# Altium PCB SLMVRtt_REV1.3_MH.PcbDoc (continued)
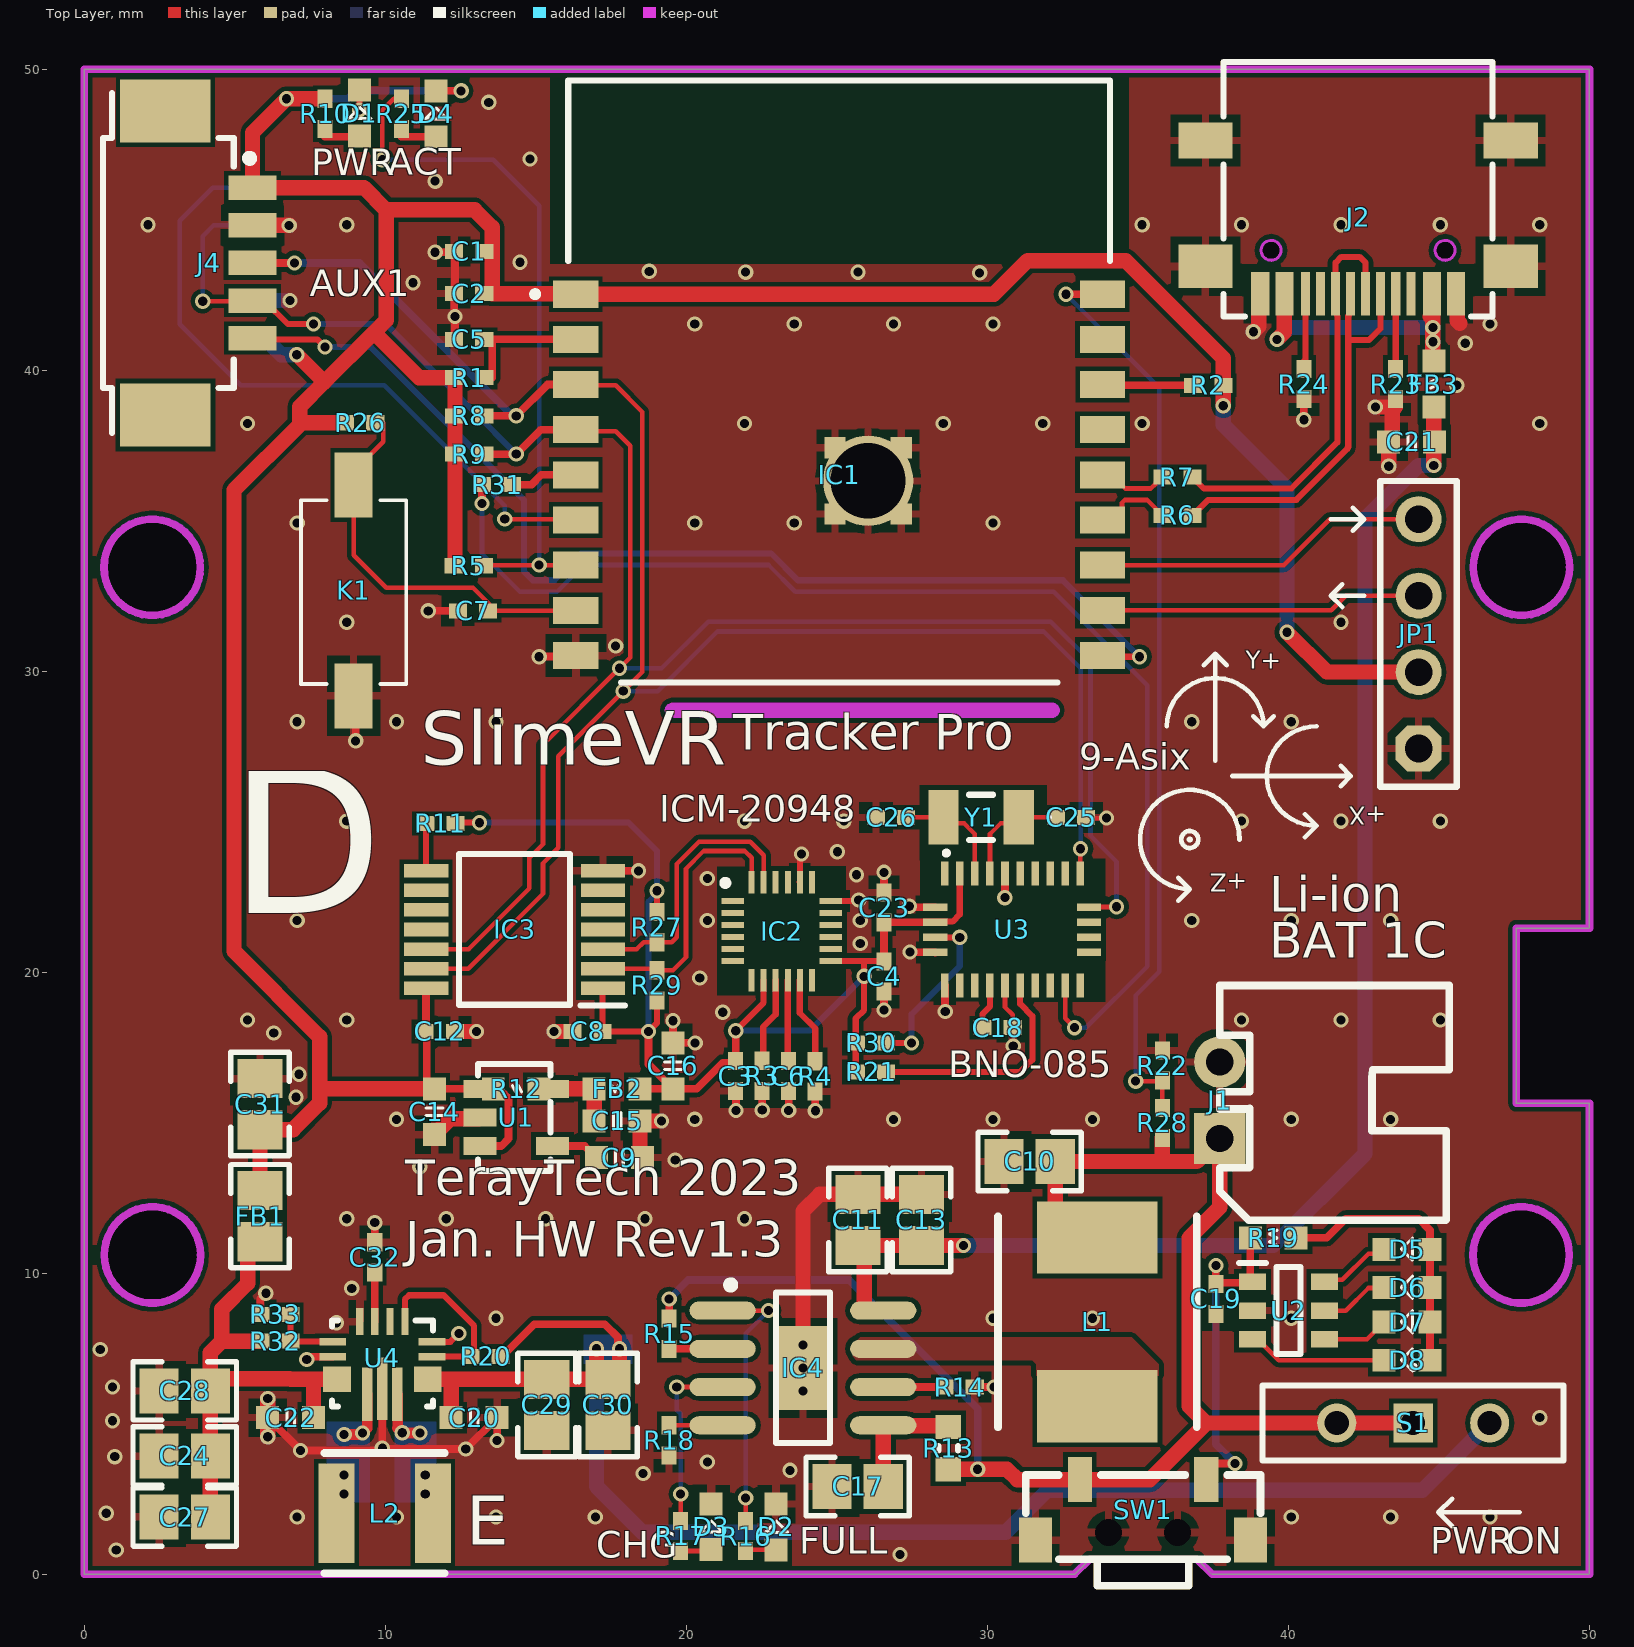
[diagram p0: Top Layer view]
## Footprints (in the part's own frame and the unit in brackets; to place one, negate y for a bottom-side part, rotate by r counter-clockwise, add the part's x,y. Pads: shape width x height; smd on the part's side, far side on the other; paste and mask are expansions set on the pad) (continued)
  round 1.7 hole 0.9: 2(1.27,0)
  silkscreen extent -3.99,-7.62 3.81,0, body extent -3.77,-7.35 3.77,0.35, height 5.73

## Part data
C1 C2 C3 C4 C5 C6 C7 C8 C9 C10 C11 C12 C13 C14 C15 C16 C17 C18 C19 C20 C21 C22 C23 C24 C25 C26 C27 C28 C29 C30 C31 C32: library part CAP, "Capacitor", LatestRevisionDate=17-Jul-2002, LatestRevisionNote="Re-released for DXP Platform.", PackageReference=RAD-0.3, Published=8-Jun-2000, Publisher="Altium Limited"
D1 D2 D3 D4 D5 D6 D7 D8: library part LED, "LED 发光二极管"
FB1 FB2 FB3: library part FB, "磁珠 600Ω @ 100MHz"
IC1: "Integrated Circuit", Manufacturer_Name="Espressif Systems", Mouser Part Number=356-ESP32C3WROOM02N4, Datasheet Link=https://www.mouser.ch/datasheet/2/891/Espressif_ESP32_C3_WROOM_02-2006871.pdf, Height=3.35mm, Manufacturer_Part_Number=ESP32-C3-WROOM-02-N4, Mouser Price/Stock=https://www.mouser.co.uk/ProductDetail/Espressif-Systems/ESP32-C3-WROOM-02-N4?qs=stqOd1AaK7%2FqjTZKEOgfUg%3D%3D
IC2: "Integrated Circuit", Manufacturer_Name=TDK, Mouser Part Number=410-ICM-20948, Arrow Part Number=ICM-20948, Arrow Price/Stock=https://www.arrow.com/en/products/icm-20948/invensense?region=nac, Datasheet Link=https://product.tdk.com/system/files/dam/doc/product/sensor/mortion-inertial/imu/data_sheet/ds-000189-icm-20948-v1.3.pdf, Height=1.05mm, Manufacturer_Part_Number=ICM-20948, Mouser Price/Stock=https://www.mouser.co.uk/ProductDetail/TDK-InvenSense/ICM-20948?qs=u4fy%2FsgLU9OtGc31yF%2Friw%3D%3D
IC3: "Integrated Circuit", Manufacturer_Name="Texas Instruments", Mouser Part Number=595-LSF0204PWR, Arrow Part Number=LSF0204PWR, Arrow Price/Stock=https://www.arrow.com/en/products/lsf0204pwr/texas-instruments?region=nac, Datasheet Link=http://www.ti.com/lit/gpn/lsf0204, Height=1.2mm, Manufacturer_Part_Number=LSF0204PWR, Mouser Price/Stock=https://www.mouser.co.uk/ProductDetail/Texas-Instruments/LSF0204PWR?qs=m%2F7bTylgptck0MkFZrWcVg%3D%3D
IC4: "Integrated Circuit", Manufacturer_Name=INJOINIC, Datasheet Link=http://www.szjuquan.com/upload_files/qb_sell_/pdf/IP2312.pdf, Height=1.65mm, Manufacturer_Part_Number=IP2312
J1: library part "HEADER 2PIN"
J2: "USB 3.1 Type C Receptacle WR-COM, Horizontal, SMT / THT", Contact Resistance="30 mOhm", Operating Temperature="-40 to 105 degC", Part Number=632723300011, Rated Current="5 A", Working Voltage="20 VDC", ComponentLink1Description=Manufacturer, ComponentLink1URL=http://www.we-online.de, ComponentLink2Description=Datasheet, ComponentLink2URL=https://katalog.we-online.de/em/datasheet/632723x00011%282%29.pdf, Connector Type="USB 3.1 Type C", Gender=Receptacle, Mounting Technology="SMT / THT", Orientation=Horizontal, Packaging="Tape and Reel", Published Date="September 2018", Publisher="Wurth Elektronik"
JP1: library part "HEADER 4"
K1: library part KEY_2, "Switch", LatestRevisionDate=17-Jul-2002, LatestRevisionNote="Re-released for DXP Platform.", PackageReference=SPST-2, Published=24-Mar-1999, Publisher="Altium Limited"
L1 L2: "电感", Code_IEC=1005, Code_JEITA=0402, LatestRevisionDate=17-Jul-2002, LatestRevisionNote="Re-released for DXP Platform.", PackageReference=0402-A, Published=8-Jun-2000, Publisher="Altium Limited"
R1 R2 R3 R4 R5 R6 R7 R8 R9 R10 R11 R12 R13 R14 R15 R16 R17 R18 R19 R20 R21 R22 R23 R24 R25 R26 R27 R28 R29 R30 R31 R32 R33: library part RES, "Resistor", Published=8-Jun-2000, Publisher="Altium Limited", Revision="July-2002: Re-released for DXP Platform."
S1: "Switch", Manufacturer_Name=Sungmun, Datasheet Link=https://datasheet.datasheetarchive.com/originals/distributors/Datasheets-2/DSA-20618.pdf, Height=6.4mm, Manufacturer_Part_Number=BSI-10
U1: library part ADP150
U2: "单节锂电池电量指示芯片"
U3: library part BNO085, "Accelerometer", Manufacturer_Name="Hillcrest Laboratories", Datasheet Link=https://www.hillcrestlabs.com/downloads/bno080-datasheet, Height=1.18mm, Manufacturer_Part_Number=BNO085
U4: "Imported", Manufacturer="Texas Instruments", PartNumber=TPS63070RNMR, RefDes=RefDes, Type=TYPE
Y1: "Crystal or Oscillator", Arrow Part Number="FC-135 32.7680KA-AG0", Manufacturer_Name="Epson Timing", Mouser Part Number=732-FC135-32.76KAAG0, Arrow Price/Stock=https://www.arrow.com/en/products/fc-13532.7680ka-ag0/epson-electronics-america?region=nac, Datasheet Link=https://support.epson.biz/td/api/doc_check.php?dl=brief_FC-135&lang=en/.pdf, Height=0.9mm, Manufacturer_Part_Number="FC-135 32.7680KA-AG0", Mouser Price/Stock=https://www.mouser.co.uk/ProductDetail/Epson-Timing/FC-135-32.7680KA-AG0?qs=l3LL3yk8ONZCQSM4diwOUg%3D%3D

## Free pads (board coordinates)
  round 3 hole 2.5: 2(26.04,36.322)

## Via types
v1: diameter 0.508, hole 0.305, Top Layer to Bottom Layer, tented both sides, 204 vias

## Nets (pads, with @x,y where several pads share a name; then routed paths per layer and width w, separated by ;. In a path a pad name is that pad's centre, name@x,y a point inside that pad or via, vN(x,y) a via of type N, cw(c..) or ccw(c..) an arc to the next point about the centre after c; other vN are vias at no path point)
bat: C10.2 J1.1 L1.2 R13.2 R15.2 R28.2 S1.1 S1.2 SW1.2 | length 53.9
  Top Layer w0.254: R15.2 v1(19.431,9.144)
  Top Layer w0.508: R13.2 v1(29.678,3.491) 30.654,3.491 30.999,3.147 SW1.2 35.405,3.147 37.287,5.029 S1.2 S1.1 ; L1.2 33.204,11.188 32.258,12.134 C10.2 35.814,13.716 ; R28.2 35.814,13.716 ; 37.275,5.016 36.703,5.588 36.703,11.176 37.719,12.192 J1.1 36.957,13.716 35.814,13.716
  Bottom Layer w0.254: v1(19.431,9.144) 20.066,9.779 25.4,9.779 29.678,5.501 v1(29.678,3.491)
  Bottom Layer w0.508: S1.2 S1.1
BOOT: C7.1 IC1.8 K1.1 R26.1 | length 13
  Top Layer w0.152: R26.1@9.931,38.252 9.931,37.618 8.95,36.637 K1.1 8.95,33.849 10.033,32.766 12.916,32.766 13.678,32.004 16.312,32.004 IC1.8
GND: C1.1 C2.1 C3.2 C4.2 C5.1 C6.1 C7.2 C8.2 C9.1 C10.1 C11.1 C12.2 C13.1 C14.1 C15.1 C16.1 C17.1 C18.1 C19.1 C20.2 C21.1 C22.2 C23.1 C24.2 C25.1 C26.1 C27.2 C28.2 C29.1 C30.1 C31.1 C32.1 D1.1 D2.1 D3.1 IC1.9 IC1.19 IC1.20 IC1.21 IC1.22 IC1.23 IC1.24 IC1.25 IC1.26 IC1.27 IC2.18 IC2.20 IC3.7 IC4.9 J1.2 J2.A1 J2.A12 J2.Shell J3.2 J4.2 JP1.1 K1.2 pad.2 R3.2 R4.2 R14.2 R18.1 R22.1 R23.2 R24.2 R33.1 SW1.0 U1.2 U2.2 U3.2 U3.5 U3.6 U3.10 U3.25 U4.4 U4.6 U4.10 U4.15 | length 61.2
  Top Layer w0.152: U3.10 30.587,18.841 30.845,18.583 C18.1 30.861,18.145 v1(30.861,17.551) ; C25.1 33.309,25.121 v1(33.96,25.121)
  Top Layer w0.203: v1(9.144,48.641) D1.1 ; U4.15 11.562,7.722 12.167,7.722 v1(12.446,8.001) ; IC2.20 23.773,22.996 23.773,23.874 v1(23.825,23.927) ; IC2.18 24.8,22.369 25.697,22.369 v1(25.73,22.403)
  Top Layer w0.254: R33.1 5.85,9.152 v1(6.037,9.339) ; C22.2 v1(7.188,4.115) 9.83,4.115 v1(9.906,4.191) ; v1(6.809,44.807) v1@6.809,44.811 ; v1(7.391,7.137) 7.481,7.227 U4.6 ; K1.2 9.017,29.117 v1(9.017,27.686) ; C32.1 v1(9.652,11.684) ; U4.10 v1(9.906,4.191) ; v1(11.43,32.004) C7.2@12.154,32.004 ; v1(11.659,43.917) 12.294,43.917 12.319,43.942 12.319,42.545 12.294,42.52 12.294,41.808 v1(12.319,41.783) 12.319,41.051 C5.1 ; v1(13.716,4.445) C20.2 v1(12.675,4.166) 9.931,4.166 v1(9.906,4.191) ; v1(15.113,30.48) 16.288,30.48 IC1.9 ; IC3.7 IC3.7 18.414,23.369 v1(18.415,23.368) ; v1(19.558,18.39) C16.1 v1(20.295,17.653) ; C3.2 21.653,16.04 v1(21.653,15.405) ; v1(22.524,15.419) R3.2@22.524,16.054 ; v1(23.4,15.411) C6.1@23.4,16.046 ; v1(24.289,15.402) R4.2@24.289,16.037 ; v1(26.568,18.745) C4.2 ; C23.1 v1(26.568,23.317) ; v1(27.407,22.192) 27.442,22.156 28.268,22.156 U3.2 ; v1(27.432,20.676) 27.447,20.66 28.268,20.66 U3.5 ; U3.6 28.594,19.559 28.594,18.701 v1(28.6,18.694) ; R14.2 v1(30.226,6.223) ; v1(30.582,22.479) 30.584,22.482 30.584,23.273 U3.25 ; v1(40.513,38.354) R24.2
  Top Layer w0.508: J4.2 v1@6.809,44.811 ; v1(6.096,4.572) C22.2 v1(6.096,5.842) ; C14.1 12.16,15.132 13.108,15.132 U1.2 ; C12.2 v1(13.03,18.034) ; v1(15.604,18.034) C8.2@15.959,18.034 ; C9.1@18.466,13.97 C15.1 v1(19.177,15.062) ; v1(23.876,6.858) 23.876,12.065 24.433,12.622 C11.1 C13.1 ; v1(38.837,41.275) 39.019,41.458 39.019,42.489 J2.A12 ; v1(42.888,38.773) 43.561,38.773 43.447,38.659 43.447,37.732 C21.1 v1(43.332,36.805) ; J2.A1 45.611,42.489 45.611,41.637 45.692,41.556
  Bottom Layer w0.508: J3.2 v1(6.838,42.311)
  other v1: 27.102,0.66 1.067,0.813 7.074,1.905 10.376,1.905 13.678,1.905 16.98,1.905 40.094,1.905 43.396,1.905 46.698,1.905 0.737,2.032 18.567,3.353 23.444,3.454 20.701,3.734 1.016,3.912 0.94,5.105 48.349,5.207 23.876,6.096 0.94,6.223 0.533,7.468 23.876,7.62 8.382,8.357 13.678,8.509 30.188,8.509 33.49,8.509 40.094,8.509 8.89,9.5 8.725,11.811 12.027,11.811 15.329,11.811 18.631,11.811 21.933,11.811 11.151,13.538 19.634,13.767 10.376,15.113 20.282,15.113 26.886,15.113 30.188,15.113 33.49,15.113 40.094,15.113 43.396,15.113 7.036,15.85 7.137,16.612 6.299,17.983 5.423,18.415 8.725,18.415 38.443,18.415 41.745,18.415 45.047,18.415 21.209,18.669 20.447,19.812 25.781,20.955 7.074,21.717 20.701,21.717 25.781,21.717 36.792,21.717 40.094,21.717 43.396,21.717 20.701,23.114 25.654,23.241 25.019,24.003 8.725,25.019 21.933,25.019 25.235,25.019 38.443,25.019 41.745,25.019 45.047,25.019 7.074,28.321 10.376,28.321 13.678,28.321 36.792,28.321 40.094,28.321 17.653,30.836 8.725,31.623 41.745,31.623 7.074,34.925 20.282,34.925 23.584,34.925 30.188,34.925 5.423,38.227 21.933,38.227 28.537,38.227 31.839,38.227 35.141,38.227 48.349,38.227 45.593,39.497 45.872,40.894 20.282,41.529 23.584,41.529 26.886,41.529 30.188,41.529 46.698,41.529 10.922,42.901 29.743,43.231 21.971,43.256 25.705,43.256 18.771,43.282 14.478,43.586 2.121,44.831 8.725,44.831 35.141,44.831 38.443,44.831 41.745,44.831 45.047,44.831 48.349,44.831 11.659,46.279 14.808,47.015 13.437,48.895
INT1: IC1.10 J4.5 | length 37.2
  Top Layer w0.203: J4.5 5.634,41.021 7.747,41.021 v1(8.001,40.767) ; IC1.10 33.872,30.48 v1(35.052,30.48)
  Bottom Layer w0.203: v1(8.001,40.767) 9.525,40.767 14.605,35.687 14.605,33.318 14.903,33.02 15.621,33.02 16.51,33.909 22.818,33.909 23.707,33.02 32.512,33.02 v1(35.052,30.48)
INT2: IC1.6 J3.5 | length 23.1
  Top Layer w0.152: 14.605,35.047 14.6,35.052 v1(13.97,35.052) 16.3,35.052 IC1.6
  Bottom Layer w0.152: J3.5 4.278,46.061 3.175,44.958 3.175,41.529 5.207,39.497 9.969,39.497 13.97,35.496 v1(13.97,35.052)
INT_085: IC1.5 R31.1 | length 2.2
  Top Layer w0.254: R31.1 14.859,36.195 15.186,36.522 IC1.5
LED: IC1.7 R5.2 R25.1 | length 23.1
  Top Layer w0.152: v1(9.906,46.99) 9.906,48.641 10.279,49.014 R25.1 ; R5.2@13.487,33.522 IC1.7
  Bottom Layer w0.152: v1(9.906,46.99) 13.589,46.99 15.113,45.466 v1(15.113,33.528)
NetC5_2: C5.2 IC1.2 R1.2 | length 4
  Top Layer w0.254: R1.2@13.551,39.751 13.551,41.021 IC1.2 IC1.2
NetC6_2: C6.2 IC2.10 | length 2.7
  Top Layer w0.203: IC2.10 23.371,17.075 C6.2
NetC9_2: C9.2 U1.4 | length 1.6
  Top Layer w0.254: U1.4 16.633,14.228 C9.2
NetC15_2: C15.2 FB2.1 R12.1 U1.5 | length 2.5
  Top Layer w0.508: U1.5@15.554,16.129 FB2.1 ; C15.2 FB2.1
NetC17_2: C17.2 IC4.5 R13.1 | length 4.2
  Top Layer w0.508: C17.2 IC4.5 26.561,4.935 28.658,4.935 R13.1
NetC18_2: C18.2 U3.9 | length 1.5
  Top Layer w0.203: C18.2 29.845,18.618 30.087,18.86 U3.9
NetC19_2: C19.2 R19.1 SW1.1 U2.1 | length 11.5
  Top Layer w0.254: SW1.1 37.272,3.41 37.545,3.683 v1(38.227,3.683) ; v1(37.592,10.262) C19.2 37.623,9.683 38.774,9.683 U2.1 38.735,9.783 R19.1
  Bottom Layer w0.254: v1(37.592,10.262) 37.592,4.318 v1(38.227,3.683)
NetC22_1: C22.1 C24.1 C27.1 C28.1 FB1.1 R32.2 U4.7 U4.8 | length 16.8
  Top Layer w0.508: C27.1 C24.1 C28.1 4.191,6.106 C28.1@4.587,6.502 ; FB1.1 5.831,11.049 5.435,10.653 5.435,9.671 4.572,8.808 4.572,7.747 ; R32.2 4.572,7.747 ; C22.1 7.62,6.477 ; U4.8 7.62,6.477 ; 4.572,7.747 4.191,7.366 4.191,6.477 4.216,6.502 C28.1@4.587,6.502 ; C28.1@4.587,6.502 6.833,6.502 6.858,6.477 7.62,6.477
NetC25_2: C25.2 U3.26 Y1.1 | length 3.5
  Top Layer w0.152: U3.26 30.087,24.591 30.439,24.943 Y1.1@30.927,24.943 ; Y1.1 C25.2
NetC26_2: C26.2 U3.27 Y1.2 | length 3.8
  Top Layer w0.152: C26.2 Y1.2 28.747,24.943 29.235,24.943 29.587,24.591 U3.27
NetC32_2: C32.2 U4.3 | length 1.6
  Top Layer w0.254: C32.2 9.654,10.031 9.654,8.401 U4.3
NetD1_2: D1.2 R10.2 | length 1.2
  Top Layer w0.254: R10.2@8.001,47.752 9.119,47.752 D1.2
NetD2_2: D2.2 R16.1 | length 1
  Top Layer w0.152: R16.1@22.018,0.813 D2.2
NetD3_2: D3.2 R17.1 | length 1
  Top Layer w0.152: R17.1 20.785,0.778 D3.2
NetD4_2: D4.2 R25.2 | length 1.1
  Top Layer w0.254: R25.2@10.541,47.752 D4.2
NetD5_1: D5.1 U2.6 | length 2.4
  Top Layer w0.152: U2.6 41.282,9.79 41.794,9.79 42.66,10.656 43.041,10.656 D5.1
NetD5_2: D5.2 D6.2 D7.2 D8.2 R19.2 | length 9.2
  Top Layer w0.254: R19.2 41.275,11.176 41.91,11.811 44.323,11.811 44.704,11.43 D5.2 D6.2 D7.2 D8.2
NetD6_1: D6.1 U2.5 | length 2.3
  Top Layer w0.152: U2.5 41.91,8.763 42.66,9.513 43.168,9.513 D6.1
NetD7_1: D7.1 U2.4 | length 2.2
  Top Layer w0.152: U2.4 42.611,7.813 D7.1
NetD8_1: D8.1 U2.3 | length 4.7
  Top Layer w0.152: U2.3 38.98,7.813 39.681,7.112 D8.1
NetFB3_1: FB3.1 J2.A4 J2.A9 | length 9.8
  Top Layer w0.508: v1(39.624,41.021) 39.865,41.262 J2.A9 ; 44.704,41.783 44.798,41.689 ; J2.A4 44.798,42.502 44.798,41.689 ; FB3.1 44.798,40.33 v1(44.798,41.416) 44.798,41.689
  Bottom Layer w0.508: v1(39.624,41.021) 40.019,41.416 v1(44.798,41.416) 44.806,41.409 v1(44.806,40.945)
NetIC1_13: IC1.13 R6.2 | length 2.6
  Top Layer w0.152: IC1.13 34.099,35.022 34.473,35.396 34.473,35.598 34.562,35.687 35.306,35.687 R6.2
NetIC1_14: IC1.14 R7.2 | length 2.4
  Top Layer w0.152: IC1.14 34.13,36.522 34.584,36.068 35.433,36.068 35.59,36.225 35.59,36.275 35.764,36.449 R7.2
NetIC1_16: IC1.16 R2.1 | length 2.8
  Top Layer w0.254: IC1.16 33.855,39.497 R2.1@36.576,39.497
NetIC1_18: IC1.18 R22.2 R28.1 | length 30.8
  Top Layer w0.152: v1(34.925,16.383) 35.798,16.383 R22.2 R28.1
  Top Layer w0.254: v1(32.611,42.522) IC1.18
  Bottom Layer w0.152: v1(32.611,42.522) 35.712,39.421 35.712,20.015 34.925,19.228 v1(34.925,16.383)
NetIC2_9: IC2.9 R3.1 | length 2.9
  Top Layer w0.203: R3.1 22.555,17.099 22.555,18.186 22.971,18.602 IC2.9
NetIC2_11: IC2.11 R4.1 | length 2.9
  Top Layer w0.203: IC2.11 23.771,18.647 24.282,18.136 R4.1
NetIC3_8: IC3.8 R11.2 | length 1.5
  Top Layer w0.203: IC3.8 R11.2@11.357,24.838
NetIC4_1: IC4.1 R16.2 | length 8.8
  Top Layer w0.152: IC4.1 v1(22.733,8.763) ; R16.2 v1(21.971,2.54)
  Bottom Layer w0.152: v1(21.971,2.54) 21.971,8.001 v1(22.733,8.763)
NetIC4_2: IC4.2 R15.1 | length 1.8
  Top Layer w0.254: R15.1 IC4.2
NetIC4_3: IC4.3 R17.2 | length 6
  Top Layer w0.152: v1(19.685,6.223) IC4.3 ; R17.2 v1(19.812,2.667)
  Bottom Layer w0.152: v1(19.685,6.223) 19.685,5.461 19.812,5.334 v1(19.812,2.667)
NetIC4_4: IC4.4 R18.2 | length 1.8
  Top Layer w0.152: R18.2 IC4.4
NetIC4_6: IC4.6 R14.1 | length 2
  Top Layer w0.254: IC4.6 R14.1
NetIC4_7: IC4.7 L1.1
NetJ2_A5: J2.A5 R23.1 | length 2.2
  Top Layer w0.203: R23.1@43.561,40.297 43.565,40.301 J2.A5
NetJ2_B5: J2.B5 R24.1 | length 2.3
  Top Layer w0.203: R24.1@40.513,40.297 40.565,40.349 J2.B5
NetL2_1: L2.1 U4.11 | length 1.9
  Top Layer w0.356: v1@10.406,4.859 v1(10.564,4.702) 10.566,4.699 v1(11.151,4.699) ; v1@10.414,4.859 U4.11@10.414,5.986
  other v1: 11.328,2.667 11.328,3.302
NetL2_2: L2.2 U4.9 | length 2
  Top Layer w0.356: v1(8.636,4.648) 9.195,4.648 v1(9.246,4.699) 9.403,4.857 U4.9@9.403,5.983
  other v1: 8.636,2.667 8.636,3.302
NetR20_2: R20.2 U4.1 U4.14 | length 5.7
  Top Layer w0.203: U4.1 10.656,9.132 10.795,9.271 11.938,9.271 12.954,8.255 12.954,7.358 R20.2 ; U4.14 11.799,7.227 11.805,7.233 12.702,7.233 R20.2@12.708,7.239
NetR21_2: R21.2 U3.11 | length 7.7
  Top Layer w0.203: R21.2 31.09,16.688 31.496,17.094 31.496,18.542 31.087,18.951 U3.11
NetR30_2: R30.2 U3.4 | length 5.8
  Top Layer w0.203: R30.2 v1(27.483,17.653) ; U3.4 v1(29.083,21.158)
  Bottom Layer w0.203: v1(27.483,17.653) 27.483,18.605 29.083,20.206 v1(29.083,21.158)
NetR31_2: R31.2 U3.14 | length 41.1
  Top Layer w0.152: U3.14 32.587,18.467 v1(32.893,18.161)
  Top Layer w0.254: v1(13.216,35.568) R31.2
  Bottom Layer w0.152: v1(13.216,35.568) 13.216,33.901 14.478,32.639 15.707,32.639 16.596,33.528 22.732,33.528 23.621,32.639 32.203,32.639 35.306,29.536 35.306,20.193 33.274,18.161 v1(32.893,18.161)
NetR32_1: R32.1 R33.2 U4.5 | length 2.3
  Top Layer w0.203: R33.2 R32.1 6.86,7.737 8.245,7.737 U4.5
P3.3V: C1.2 C2.2 C12.1 C14.2 C31.2 D4.1 FB1.2 IC1.1 IC3.14 J3.1 J4.1 JP1.2 R1.1 R2.2 R5.1 R8.2 R9.2 R10.1 R12.2 R26.2 U1.1 U1.3 | length 126.1
  Top Layer w0.254: IC3.14 11.357,17.889 11.379,17.867 11.379,16.383 C14.2 U1.1@13.153,16.129 ; D4.1 v1(12.522,49.276) ; U1.3 13.847,14.228 14.097,14.478 14.097,15.806 13.948,15.955 R12.2@13.327,15.955
  Top Layer w0.508: FB1.2 C31.2 6.941,14.771 7.823,15.653 7.823,16.129 ; v1(7.061,40.513) 7.976,39.599 ; R10.1 v1(6.723,49.014) 5.594,47.885 J4.1 9.295,46.061 10.033,45.323 ; R26.2@8.407,38.252 7.214,38.252 7.163,38.202 ; C14.2 7.823,16.129 ; R1.1@12.154,39.751 11.125,39.751 9.627,41.25 ; R5.1 12.319,33.545 12.319,37.181 R9.2 12.319,37.241 12.319,38.451 R8.2 12.319,38.511 12.319,39.721 R1.1 ; 34.569,43.637 31.339,43.637 30.224,42.522 IC1.1 16.318,42.533 13.563,42.533 13.551,42.545 13.551,44.742 12.97,45.323 10.033,45.323 ; 34.595,43.637 37.838,40.394 R2.2 v1(37.838,38.819) ; v1(39.954,31.293) 41.275,29.972 JP1.2 ; 7.163,38.202 4.978,36.017 4.978,20.701 7.823,17.856 7.823,16.129 ; 7.163,38.202 7.163,38.786 7.976,39.599 ; 7.976,39.599 9.627,41.25 ; 9.627,41.25 10.033,41.656 10.033,45.323
  Bottom Layer w0.254: v1(6.723,49.014) 8.763,49.014 9.025,49.276 v1(12.522,49.276)
  Bottom Layer w0.508: J3.1 5.989,41.061 6.537,40.513 v1(7.061,40.513) ; v1(37.838,38.819) 37.838,38.184 39.954,36.068 v1(39.954,31.293)
P_GYRO: C3.1 C4.1 C8.1 C16.2 C23.2 FB2.2 IC2.8 IC2.13 IC3.1 R11.1 R21.1 R27.2 R29.2 R30.1 U3.3 U3.28 | length 42.9
  Top Layer w0.203: R11.1@12.305,24.968 v1(13.132,24.968) ; IC3.1 17.221,19.459 C8.1 v1(18.745,18.034) 19.025,18.313 R29.2 ; R27.2 v1(19.025,22.708) ; v1(21.641,18.059) 22.571,18.99 IC2.8 ; IC2.13 25.908,20.368 ; R21.1 25.629,16.696 25.629,17.653 25.629,18.466 25.908,18.745 v1(25.908,19.863) 25.908,20.368 ; C4.1@26.568,20.368 25.908,20.368 ; C4.1@26.568,20.625 C4.1@26.645,20.549 ; U3.3 28.294,21.682 28.844,21.682 29.083,21.92 29.083,23.272 U3.28
  Top Layer w0.254: FB2.2 C16.2 ; v1(18.745,18.034) 18.745,16.942 C16.2 ; v1(21.641,18.059) C3.1 21.581,16.993 21.209,16.993 20.345,16.129 C16.2 ; C23.2 C23.2@26.568,21.641 ; C4.1@26.572,20.367 C4.1 26.568,20.368 26.568,20.625 C23.2@26.568,21.641 ; U3.3 26.586,21.658 C23.2@26.568,21.641
  Bottom Layer w0.203: v1(13.132,24.968) 18.085,24.968 19.025,24.028 19.025,22.625 18.745,22.346 v1(18.745,18.034) ; v1(21.641,18.059) 24.105,18.059 v1(25.908,19.863)
RXD: IC1.11 JP1.3 | length 10.7
  Top Layer w0.152: IC1.11 41.42,32.022 41.91,32.512 JP1.3
SCL: IC1.4 IC3.12 J3.4 J4.4 R9.1 U3.19 | length 68.3
  Top Layer w0.152: v1(3.937,42.291) 5.574,42.291 J4.4 ; IC3.12 12.77,20.771 14.791,22.792 14.791,23.808 15.24,24.257 15.24,27.559 v1(17.78,30.099) 18.136,30.455 18.136,37.49 17.653,37.973 16.379,37.973 IC1.4 ; U3.19 33.387,22.166 34.282,22.166 v1(34.29,22.174)
  Top Layer w0.203: J4.4 5.989,42.311 6.771,41.529 v1(7.62,41.529)
  Top Layer w0.254: R9.1@13.551,37.211 v1(14.351,37.211) 15.162,38.022 IC1.4
  Bottom Layer w0.152: v1(3.937,42.291) 3.937,44.45 4.298,44.811 J3.4 ; v1(17.78,30.099) 19.177,30.099 20.726,31.648 32.106,31.648 33.426,30.328 33.426,24.536 34.29,23.673 v1(34.29,22.174)
  Bottom Layer w0.203: v1(7.62,41.529) 10.033,41.529 12.903,38.659 v1(14.351,37.211)
SCL_REG: IC2.23 IC3.3 R27.1 | length 9.3
  Top Layer w0.152: IC3.3 18.358,20.771 18.583,20.996 R27.1 19.523,20.996 19.685,21.158 19.685,23.597 20.422,24.333 22.123,24.333 22.571,23.885 IC2.23
SDA: IC1.3 IC3.13 J3.3 J4.3 R8.1 U3.20 | length 63.7
  Top Layer w0.152: IC3.13 12.755,20.121 15.24,22.606 15.24,23.622 15.748,24.13 15.748,27.178 v1(17.907,29.337) 18.542,29.972 18.542,38.608 17.653,39.497 ; IC1.3 16.355,39.497 17.628,39.497 ; U3.20 33.092,23.28 33.092,24.1 v1(33.096,24.105)
  Top Layer w0.254: J4.3 v1(6.985,43.561) ; R8.1@13.551,38.481 v1(14.351,38.481) 15.392,39.522 IC1.3
  Bottom Layer w0.152: v1(17.907,29.337) 19.05,29.337 21.031,31.318 31.877,31.318 33.096,30.099 v1(33.096,24.105)
  Bottom Layer w0.254: J3.3 v1(6.985,43.561) 9.144,43.561 14.224,38.481 v1(14.351,38.481)
SDA_REG: IC2.24 IC3.2 R29.1 | length 9.2
  Top Layer w0.152: IC3.2 18.97,20.121 R29.1 19.558,20.066 19.99,20.498 19.99,23.444 20.574,24.028 21.946,24.028 22.171,23.803 IC2.24
TXD: IC1.12 JP1.4 | length 11.1
  Top Layer w0.152: IC1.12 39.847,33.522 41.377,35.052 JP1.4
USB_D_N: J2.A7 J2.B7 R6.1 | length 13.4
  Top Layer w0.203: R6.1@36.957,35.306 37.338,35.687 40.259,35.687 41.961,37.389 41.961,37.425 41.986,37.45 41.986,40.996 ; J2.A7 42.017,42.487 42.017,41.823 41.986,41.793 41.986,40.996 ; J2.B7 43.065,41.389 42.672,40.996 41.986,40.996
USB_D_P: J2.A6 J2.B6 R7.1 | length 13.8
  Top Layer w0.203: R7.1 37.195,36.068 40.101,36.068 41.631,37.597 41.631,41.793 41.614,41.809 41.614,42.487 J2.B6 41.565,43.572 41.758,43.764 42.367,43.764 42.565,43.566 J2.A6
VBAT: C20.1 C29.2 C30.2 R20.1 S1.3 U4.12 U4.13 | length 50.3
  Top Layer w0.254: R20.1 13.885,7.239 14.952,8.306 17.297,8.306 17.731,7.872 17.731,7.542 v1(17.78,7.493)
  Top Layer w0.508: U4.13 12.192,6.477 ; C20.1 12.192,6.477 ; v1(17.018,7.493) 17.018,6.858 C30.2 C29.2 12.192,6.477 ; C30.2@17.78,6.858 v1(17.78,7.493)
  Bottom Layer w0.508: v1(17.018,7.493) 17.018,2.921 18.542,1.397 30.607,1.397 32.004,2.794 44.45,2.794 S1.3
VUSB: C11.2 C13.2 C21.2 FB3.2 IC4.8 | length 47
  Top Layer w0.508: IC4.8 25.95,8.763 25.908,8.805 25.908,10.714 C11.2 25.908,10.922 C13.2 v1(29.21,10.922) ; v1(44.831,36.83) FB3.2
  Bottom Layer w0.508: v1(29.21,10.922) 39.497,10.922 42.545,13.97 42.545,35.052 44.323,36.83 v1(44.831,36.83)
pads on no net: IC1.15 IC1.17 IC2.1 IC2.2 IC2.3 IC2.4 IC2.5 IC2.6 IC2.7 IC2.12 IC2.14 IC2.15 IC2.16 IC2.17 IC2.19 IC2.21 IC2.22 IC3.4 IC3.5 IC3.6 IC3.9 IC3.10 IC3.11 J2.A8 J2.B8 J3.MP1 J3.MP2 J4.MP1 J4.MP2 U3.1 U3.7 U3.8 U3.12 U3.13 U3.15 U3.16 U3.17 U3.18 U3.21 U3.22 U3.23 U3.24 U4.2

## Polygon pours and split planes (outlines as drawn)
GND on Top Layer "GND_L01_P010" (solid, remove dead copper, pour order 10): -2.464,24.638 -2.464,50.14 52.654,50.14 52.654,-0.483 -2.438,-0.483 -2.438,3.302
NetIC4_7 on Top Layer "NETIC4_7_L01_P011" (solid, pour order 11): 34.798,7.874 35.687,6.985 35.687,6.604 31.623,6.604 31.623,6.985 31.496,7.112 25.654,7.112 25.527,7.239 25.527,7.62 25.781,7.874
GND on Bottom Layer "GND_L02_P006" (solid, remove dead copper, pour order 6): -3.734,25.832 -3.734,51.283 54.631,51.283 54.631,-2.634 -3.734,-2.634

## Keep-outs
Keep-Out Layer:
  circle w0.254: c47.739,33.452 r1.6
  circle w0.254: c47.733,10.611 r1.6
  circle w0.254: c2.267,10.611 r1.6
  circle w0.102: c45.205,43.98 r0.33
  circle w0.102: c39.425,43.98 r0.33
  circle w0.254: c2.261,33.452 r1.6
  lines w0.254: 0,0 32.893,0 33.401,0.508 36.957,0.508 37.465,0 50,0 50,15.646 47.574,15.646 47.574,21.463 50,21.463 50,50 0,50 0,0
  lines w0.508: 19.558,28.702 32.131,28.702

## Other copper
Top Layer:
  pour cut-out: 27.757,26.213 27.757,23.724 31.979,23.724 31.979,26.213
  pour cut-out: 27.773,23.776 27.773,19.025 33.909,19.025 33.909,23.776
  pour cut-out: 21.017,23.522 21.017,19.213 25.298,19.213 25.298,23.522
  pour cut-out: 15.469,49.962 15.469,43.51 34.722,43.51 34.722,49.962
Bottom Layer:
  rectangle net VBAT: 16.586,6.985 18.212,7.976
  region net NetL2_1: 11.709,5.08 10.312,5.08 10.312,2.388 11.709,2.388
  rectangle net NetL2_2: 8.052,2.388 9.5,5.08
  pour cut-out: 15.469,49.962 15.469,43.51 34.722,43.51 34.722,49.962

## Silkscreen, mask and mechanical layers (free items; w line width, h text height)
Top Overlay:
  circle w0.152: c36.724,24.409 r0.025
  circle w0.152: c36.724,24.409 r0.284
  lines w0.152: 35.96,28.169 cw(c37.567,28.169) 39.173,28.169 38.837,28.504 ; 36.343,22.377 36.724,22.758 ; 36.343,23.139 36.724,22.758 ; 37.186,30.201 37.567,30.582 ; 37.567,27.026 37.567,30.582 ; 37.948,30.201 37.567,30.582 ; 38.138,26.518 42.075,26.518 ; 38.375,24.409 ccw(c36.724,24.409) 36.724,22.758 ; 39.172,28.168 39.509,28.504 ; 40.551,24.486 40.932,24.867 ; 40.551,25.248 40.932,24.867 ; 40.932,28.169 ccw(c40.932,26.518) 40.932,24.867 ; 41.402,35.052 42.52,35.052 ; 41.739,26.182 42.076,26.518 ; 41.739,26.853 42.076,26.517 ; 41.783,32.131 41.402,32.512 ; 41.783,32.893 41.402,32.512 ; 41.948,26.518 42.075,26.518 ; 42.139,34.671 42.52,35.052 ; 42.139,35.433 42.52,35.052 ; 42.52,32.512 41.402,32.512 ; 45.441,1.6 44.983,2.057 ; 45.441,2.515 44.983,2.057 ; 47.676,2.057 44.983,2.057
  text "PWR" at 7.544,46.177 h1.52
  text "ACT" at 10.109,46.187 h1.52
  text "AUX1" at 7.493,42.15 h1.52
  text "Y+" at 38.583,30.074 h0.6
  text "Tracker Pro" at 21.565,26.99 h2.03
  text "9-Asix" at 33.045,26.427 h1.52
  text "SlimeVR" at 11.176,26.312 h3.05
  text "X+" at 42.012,25.502 h0.6 r180
  text "ICM-20948" at 19.101,24.7 h1.52
  text "+Z" at 38.629,23.266 h0.6 r180
  text "Li-ion" at 39.37,21.605 h2.03
  text "BAT 1C" at 39.37,20.079 h2.03
  text "D" at 4.826,19.558 h12.7
  text "BNO-085" at 28.702,16.216 h1.52
  text "TerayTech 2023 / Jan. HW Rev1.3" at 10.668,10.16 h2.03
  text "E" at 12.7,0.457 h2.79
  text "FULL" at 23.749,0.381 h1.52
  text "PWR" at 44.704,0.381 h1.52
  text "ON" at 47.244,0.392 h1.52
  text "CHG" at 17.018,0.254 h1.52
Bottom Overlay:
  text "AUX2" at 8.484,47.458 h1.52